# Altium PCB Fast_Servo.PCBDOC (part 7 of 7)
Units mm, origin at the board's own origin, x right, y up, seen from the top; angles counter-clockwise.
Board outline 162.48 x 100 mm, 4 copper layers (Top, GP1(GND), L3, Bot), stack 1.648 mm thick; 621 components, 389 nets, 1909 pads, 971 vias.
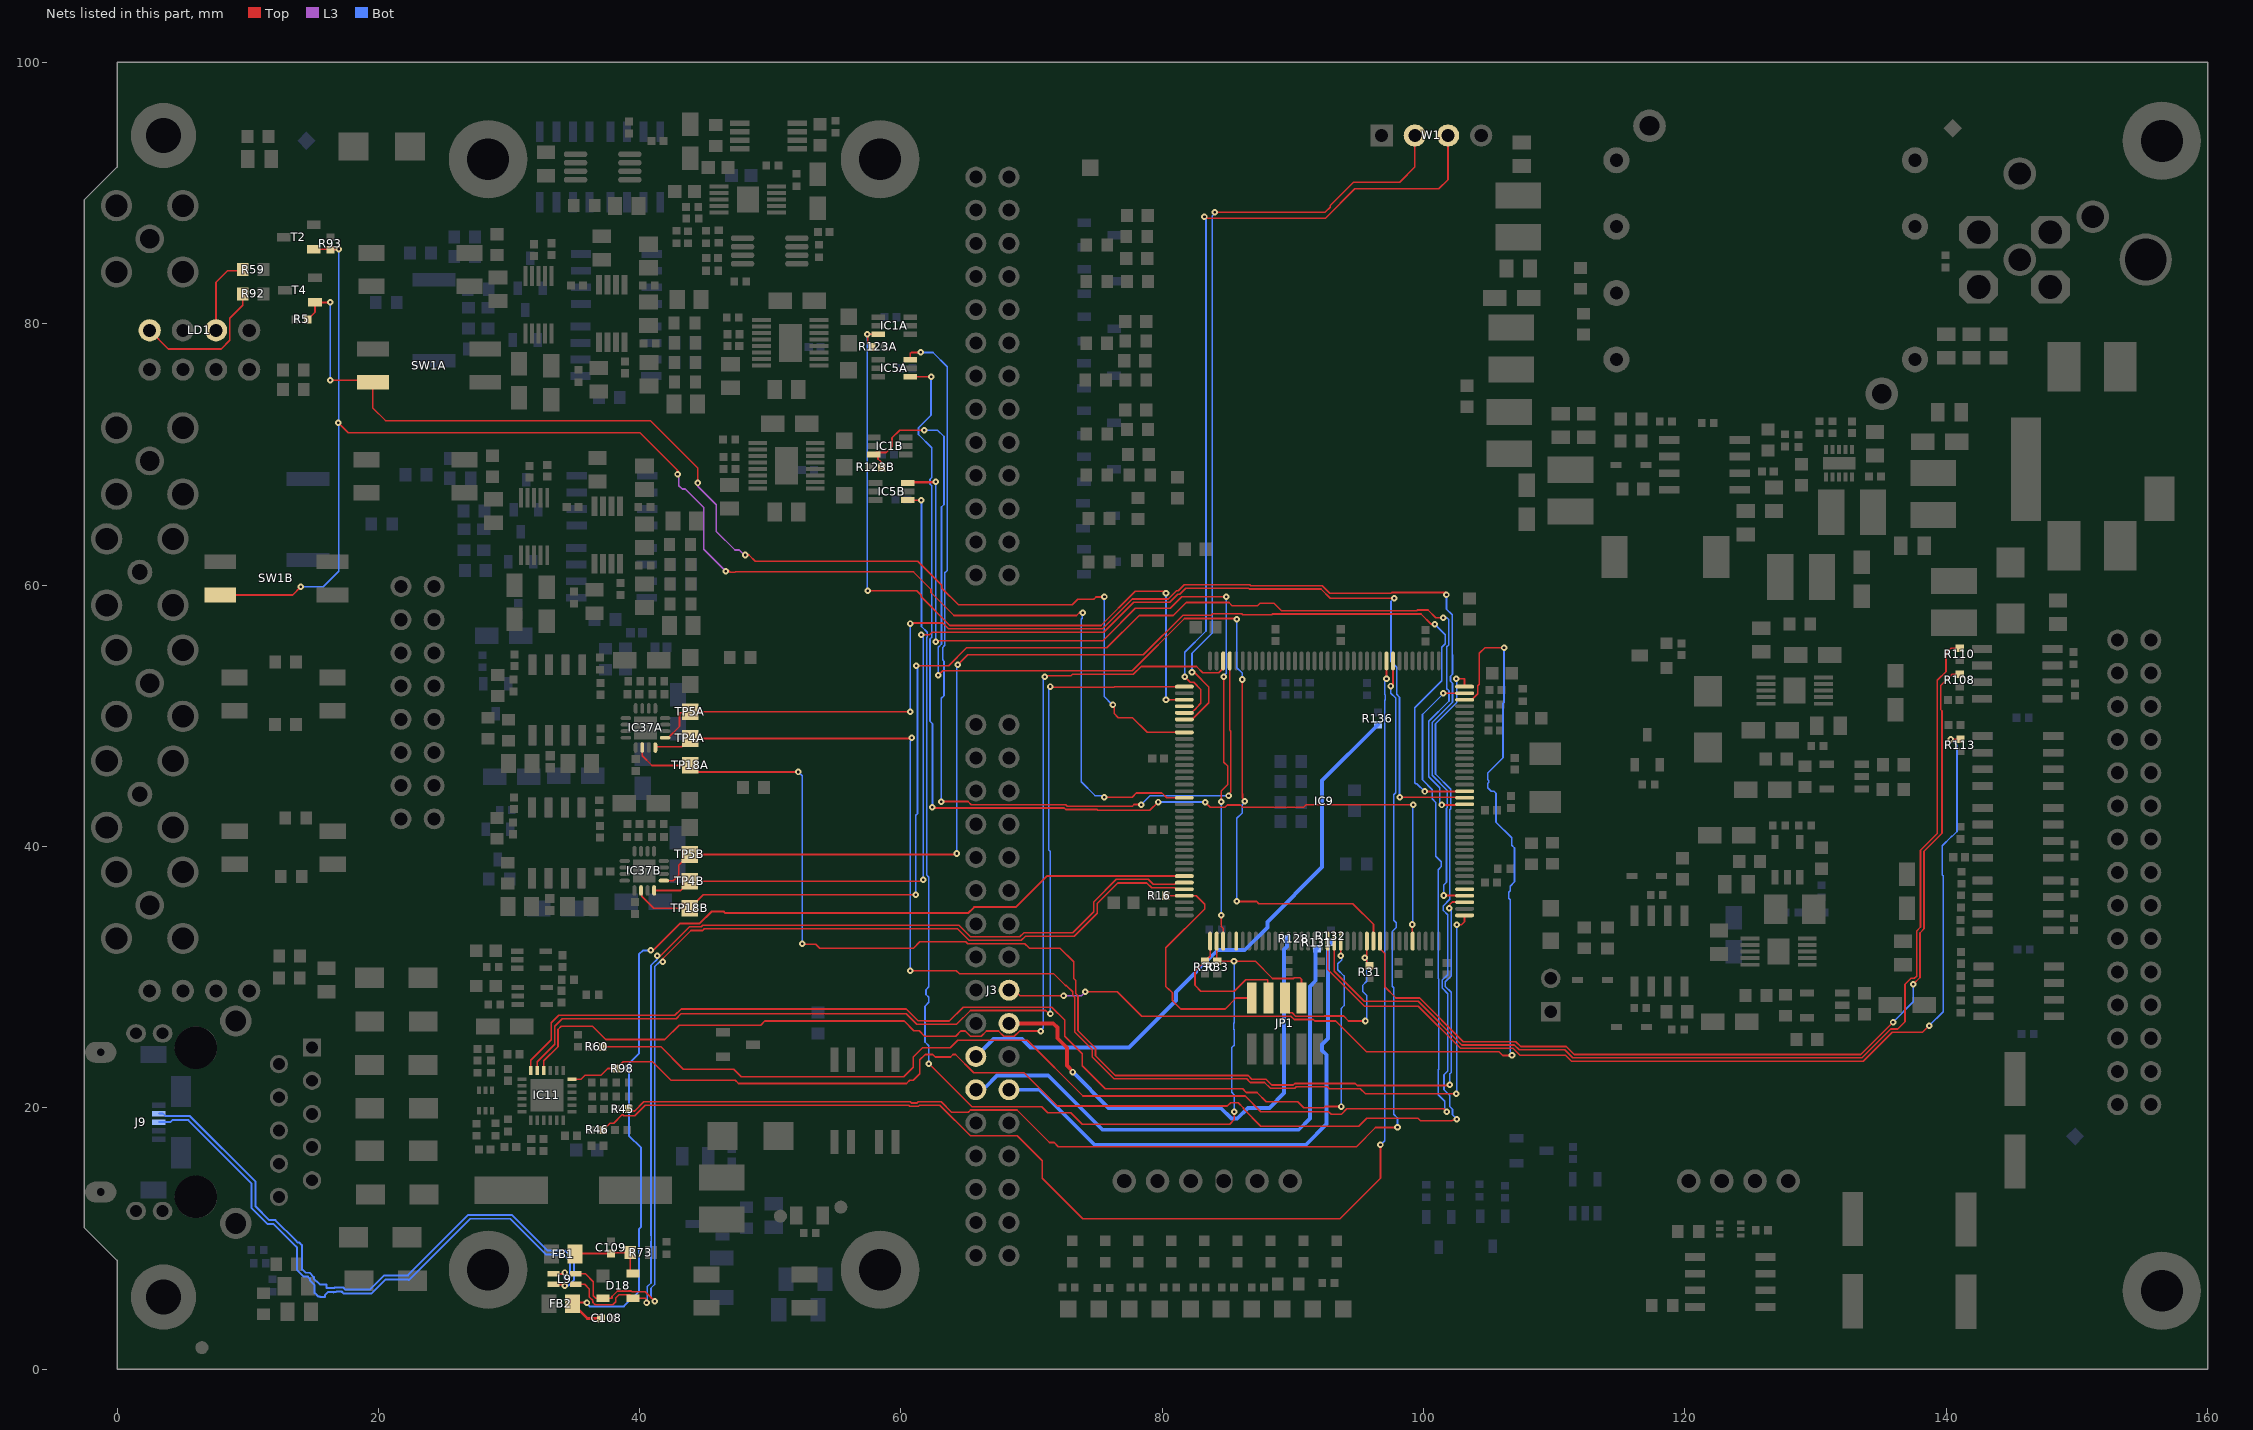
[diagram p9: the nets of this part, all layers, seen from the top]

## Via types
v1: diameter 0.5, hole 0.2, Top to Bot, tented both sides, 767 vias
v2: diameter 0.7, hole 0.5, Top to Bot, tented both sides, 74 vias
v3: diameter 0.6, hole 0.3, Top to Bot, tented both sides, 42 vias
v4: diameter 0.5, hole 0.2, Top to Bot, 40 vias
v5: diameter 1.27, hole 0.711, Top to Bot, tented both sides, 37 vias
v6: diameter 0.5, hole 0.2, Top to Bot, tented bottom, 5 vias
v7: diameter 0.66, hole 0.33, Top to Bot, tented both sides, 5 vias
v8: diameter 1, hole 0.6, Top to Bot, tented both sides, 1 vias

## Nets (pads, with @x,y where several pads share a name; then routed paths per layer and width w, separated by ;. In a path a pad name is that pad's centre, name@x,y a point inside that pad or via, vN(x,y) a via of type N, cw(c..) or ccw(c..) an arc to the next point about the centre after c; other vN are vias at no path point) (continued)
RMII_MDIO: IC9.36 IC11.12 R98.2 | length 111
  Top w0.127: IC11.12@34.805,22.195 35.524,22.195 35.822,22.494 37.045,22.494 37.553,23.001 R98.2@38.211,23.001 38.737,23.528 40.983,23.528 42.401,22.11 47.319,22.11 47.566,21.863 60.418,21.863 60.665,22.11 60.944,22.11 61.443,22.608 61.443,23.67 61.849,24.077 62.425,24.077 62.611,23.89 63.797,23.89 63.983,24.077 64.173,24.077 65.578,22.671 69.42,22.671 71.959,20.132 84.973,20.132 85.231,20.39 85.806,20.39 86.213,19.983 86.213,19.917 87.544,18.586 95.04,18.586 95.648,19.194 99.565,19.194 99.759,19.001 102.162,19.001 102.212,19.05 102.475,19.05 v1(102.547,19.122) ; v1(102.5,52.838) 103.125,52.838 103.134,52.828 IC9.36@103.134,52.227
  Bot w0.127: v1(102.5,52.838) 102.547,52.791 102.547,51.02 100.909,49.383 100.909,45.548 102.073,44.385 102.073,42.888 102,42.814 102,35.948 101.515,35.463 101.515,35.098 101.852,34.761 101.852,30.19 101.414,29.752 101.414,29.176 101.852,28.738 101.852,22.81 101.559,22.517 101.559,21.384 102,20.944 102,20.092 102.214,19.878 102.214,19.454 v1(102.547,19.122)
RMII_REF_CLK: IC9.35 R60.1 | length 105.1
  Top w0.127: R60.1@37.171,24.66 41.63,24.66 43.336,22.954 47.193,22.954 47.776,22.371 60.208,22.371 60.935,23.097 60.935,23.88 61.645,24.591 63.779,24.591 64.353,25.165 69.669,25.165 73.93,20.904 86.338,20.904 87.54,19.702 92.725,19.702 92.928,19.5 93.712,19.5 94.129,19.917 101.552,19.917 v1(101.774,19.695) ; v1(101.5,51.727) IC9.35@103.134,51.727
  Bot w0.127: v1(101.5,51.727) 101.52,51.707 99.91,50.098 99.91,45.095 100.655,44.35 100.655,43.641 100.938,43.358 100.938,39.24 101.35,38.828 101.35,38.463 101.113,38.227 101.113,29.903 101.16,29.857 101.16,22.96 101.113,22.913 101.113,21 101.621,20.492 101.621,19.848 v1(101.774,19.695)
RMII_RXD0: IC9.44 R45.1 | length 97.9
  Top w0.127: R45.1@39.161,19.965 39.371,19.755 39.62,19.755 40.315,20.449 60.701,20.449 60.787,20.364 61.235,20.364 61.32,20.449 63.079,20.449 63.87,19.659 65.148,19.659 65.32,19.831 68.886,19.831 71.372,17.344 71.724,17.344 72.041,17.028 94.856,17.028 96.316,18.487 97.987,18.487 v1(98,18.5) ; v1(97.493,52.276) 97.568,52.35 97.659,52.35 IC9.44@97.659,54.202
  Bot w0.127: v1(97.493,52.276) 97.493,51.73 97.865,51.358 97.865,44.101 97.719,43.954 97.719,34.343 97.905,34.157 97.905,33.792 97.604,33.49 97.604,29.297 97.719,29.182 97.719,19.5 98,19.219 v1(98,18.5)
RMII_RXD1: IC9.45 R46.1 | length 106
  Top w0.127: R46.1@37.224,18.313 37.724,18.814 38.015,18.814 38.694,19.493 38.792,19.394 39.619,19.394 40.42,20.195 60.596,20.195 60.682,20.11 61.34,20.11 61.426,20.195 62.974,20.195 65.32,17.85 68.901,17.85 70.804,15.947 70.804,14.607 73.904,11.506 93.595,11.506 96.698,14.609 v1(96.698,17.17) ; v1@96.638,17.23 v1@96.698,17.29 ; v1(97.159,52.828) IC9.45@97.159,54.202
  Bot w0.127: v1(96.698,17.17) 96.716,17.17 97.024,17.479 97.024,51.189 97.062,51.227 97.062,51.592 97.024,51.63 97.024,52.693 v1(97.159,52.828)
RMII_TX_EN: IC9.70 IC11.16 | length 85.1
  Top w0.127: IC11.16@32.655,22.845 32.655,23.589 33.746,24.68 33.746,25.991 34.002,26.247 36.386,26.247 37.407,25.226 41.926,25.226 43.019,26.32 49.266,26.32 49.584,26.637 60.239,26.637 60.988,25.888 61.4,25.888 61.803,25.485 64.181,25.485 64.566,25.87 64.92,25.87 65.32,25.47 66.14,25.47 66.54,25.87 67.46,25.87 67.86,25.47 68.68,25.47 69.08,25.87 v1(70.705,25.87) ; v1(71,53) 71.069,53.069 73.014,53.069 73.127,53.182 77.787,53.182 78.379,53.774 82.619,53.774 83.107,53.286 84.319,53.286 84.659,53.627 IC9.70@84.659,54.202
  Bot w0.127: v1(70.705,25.87) 70.705,25.942 70.893,26.131 70.893,52.893 v1(71,53)
RMII_TXD0: IC9.73 IC11.17 | length 78.6
  Top w0.127: IC11.17@32.155,22.845 32.155,23.531 33.492,24.868 33.492,26.233 34.081,26.822 42.803,26.822 43.168,27.186 60.409,27.186 61.199,26.396 61.743,26.396 61.757,26.382 64.251,26.382 65.32,27.451 71.082,27.451 71.346,27.186 v1(71.44,27.186) ; v1(71.419,52.24) 71.471,52.188 76.307,52.188 76.346,52.227 IC9.73@81.684,52.227
  Bot w0.127: v1(71.419,52.24) 71.419,52.139 71.315,52.035 71.315,39.724 71.416,39.622 71.416,27.211 v1(71.44,27.186)
RMII_TXD1: IC9.129 IC11.18 | length 83.6
  Top w0.127: IC11.18@31.655,22.845 31.655,23.634 33.238,25.217 33.238,26.499 33.815,27.076 42.698,27.076 43.18,27.558 60.396,27.558 61.304,26.65 61.848,26.65 61.863,26.636 63.692,26.636 64.76,27.705 71.545,27.705 72.536,26.714 72.536,25.477 73.869,24.144 73.869,23.207 75.623,21.453 86.149,21.453 86.428,21.174 87.25,21.174 87.96,20.464 90.37,20.464 90.833,20.001 92.367,20.001 92.462,20.096 v1(93.684,20.096) ; v1(93.659,31.625) IC9.129@93.659,32.752
  Bot w0.127: v1(93.659,31.625) 93.734,31.55 93.734,31.306 93.439,31.011 93.439,30.563 93.913,30.089 93.913,27.827 93.684,27.599 v1(93.684,20.096)
SCKI: IC9.128 R110.1 | length 80.8
  Top w0.127: IC9.128@93.159,32.752 93.159,30.441 95.458,28.142 99.589,28.142 102.927,24.804 106.948,24.804 107.32,24.432 110.804,24.432 111.418,23.817 133.55,23.817 135.759,26.026 136.288,26.026 136.842,26.58 136.842,29.45 137.296,29.904 137.56,29.904 137.733,30.077 137.733,33.528 138.034,33.829 138.034,39.719 139.311,40.997 139.311,52.711 139.976,53.376 139.976,54.788 140.365,55.176 R110.1@141.035,55.176
SDI: IC9.135 R108.1 | length 74.9
  Top w0.127: IC9.135@96.659,32.752 96.659,32.177 97.028,31.808 97.028,29.251 97.883,28.396 99.695,28.396 103.032,25.058 107.053,25.058 107.425,24.686 110.909,24.686 111.524,24.071 133.445,24.071 v1(135.927,26.553) ; v1(137.479,29.464) 137.99,29.975 137.99,33.381 138.3,33.692 138.3,39.626 139.676,41.002 139.676,50.371 139.565,50.481 139.565,52.294 140.448,53.176 R108.1@141.035,53.176
  Bot w0.127: v1(135.927,26.553) 137.479,28.105 v1(137.479,29.464)
SDO: IC9.127 R113.1 | length 76
  Top w0.127: IC9.127@92.659,32.752 92.66,30.581 95.47,27.771 99.601,27.771 102.822,24.55 106.843,24.55 107.38,24.013 110.863,24.013 111.313,23.563 133.655,23.563 135.864,25.772 138.186,25.772 v1(138.684,26.271) ; v1(140.354,48.211) R113.1@141.086,48.211
  Bot w0.127: v1(138.684,26.271) 139.759,27.346 139.759,37.75 139.688,37.821 139.688,40.047 140.4,40.759 140.432,40.759 140.818,41.144 140.818,47.747 v1(140.354,48.211)
SPI1_MISO: J3.21 R136.2 | length 46.4
  Bot w0.298: J3.21@65.73,23.92 67.085,25.275 69.26,25.275 69.925,24.61 77.459,24.61 81.054,28.206 81.054,28.873 84.242,32.061 86.311,32.061 88.042,33.792 88.042,34.228 92.235,38.421 92.235,45.054 96.334,49.153 96.334,49.173 96.475,49.314 R136.2@96.495,49.314
SPI1_MOSI: J3.20 R128.2 | length 38.1
  Top w0.298: J3.20@68.27,26.46 71.658,26.46 71.966,26.151 71.966,25.323 72.697,24.593 72.697,23.236 v1@73.175,22.758
  Bot w0.298: v1(73.152,22.734) 75.89,19.997 84.473,19.997 85.301,19.17 85.736,19.17 86.564,19.997 88.199,19.997 89.319,21.116 89.319,32.106 89.549,32.336 89.549,32.892 R128.2@89.576,32.918
SPI1_NSS: J3.23 R131.1 | length 41.3
  Bot w0.298: J3.23@65.73,21.38 65.959,21.609 66.511,21.609 67.358,22.456 71.274,22.456 75.411,18.319 90.443,18.319 91.304,19.179 91.304,29.29 91.734,29.72 91.734,32.061 R131.1@91.851,32.178
SPI1_SCK: J3.24 R132.1 | length 41
  Bot w0.298: J3.24@68.27,21.38 70.612,21.38 74.822,17.17 90.996,17.17 92.571,18.746 92.571,24.055 92.233,24.393 92.233,24.828 92.697,25.292 92.697,32.449 92.748,32.501 92.748,32.521 92.889,32.662 R132.1@92.909,32.662
SPI2_MISO: IC1A.6 IC9.75 R123A.2 | length 56.3
  Top w0.127: v1(57.455,59.563) 61.208,59.563 61.541,59.23 61.541,59.115 63.744,56.912 75.311,56.912 77.923,59.524 80.141,59.524 v1(80.283,59.382) ; R123A.2@57.772,78.236 57.772,78.256 57.546,78.483 57.529,78.483 57.455,78.557 57.455,79.17 v1(57.429,79.195) 58.242,79.195 IC1A.6@58.251,79.204 ; v1(80.283,51.239) 80.289,51.233 81.678,51.233 IC9.75@81.684,51.227
  Bot w0.127: v1(57.429,79.195) 57.429,59.588 v1(57.455,59.563) ; v1(80.283,51.239) v1(80.283,59.382)
SPI2_MOSI: IC9.76
SPI2_NSS: IC5A.1 IC9.140 | length 83.6
  Top w0.127: IC5A.1@60.701,75.95 v1(62.303,75.95) ; v1(62.408,43.002) 62.465,42.945 72.497,42.945 72.609,42.833 75.001,42.833 75.069,42.765 79.048,42.765 v1(79.683,43.4) ; v1(83.274,43.378) 83.659,42.994 84.804,42.994 84.978,43.167 85.978,43.167 86.133,43.012 90.824,43.012 91.01,43.199 99.194,43.199 v1(99.212,43.18) ; v1(99.135,34.027) 99.135,32.776 IC9.140@99.159,32.752
  Bot w0.127: v1(62.303,75.95) 62.303,73.001 61.342,72.041 61.342,71.533 62.357,70.518 62.357,68.241 62.221,68.105 62.221,67.74 62.357,67.604 62.357,56.019 62.221,55.883 62.221,49.586 62.408,49.4 v1(62.408,43.002) ; v1(79.683,43.4) 83.253,43.4 v1(83.274,43.378) ; v1(99.135,34.027) 99.174,34.066 99.174,43.141 v1(99.212,43.18)
SPI2_SCK: IC5A.3 IC9.69 | length 70.2
  Top w0.127: IC5A.3@60.701,77.25 60.701,77.735 60.776,77.809 v1(61.501,77.809) ; v1(63.094,43.434) 65.135,43.434 65.371,43.199 72.602,43.199 72.714,43.087 75.106,43.087 75.113,43.081 77.715,43.081 77.84,43.205 v1(78.384,43.205) ; v1(85.069,43.882) 85.069,43.983 85.251,44.166 85.251,48.827 85.159,48.919 IC9.69@85.159,54.202
  Bot w0.127: v1(61.501,77.809) 62.446,77.809 63.543,76.712 63.543,61.124 63.356,60.937 63.356,55.389 63.198,55.231 63.198,54.277 63.289,54.186 63.289,51.542 63.094,51.347 v1(63.094,43.434) ; v1(78.384,43.205) 79.072,43.893 85.058,43.893 v1(85.069,43.882)
SPI3_MISO: IC1B.6 IC9.134 R123B.2 | length 85.8
  Top w0.127: R123B.2@58.529,69.008 58.469,69.068 58.469,69.434 58.247,69.656 58.247,69.835 58.086,69.997 IC1B.6@57.906,69.997 58.066,70.156 58.871,70.156 59.311,70.597 59.311,71.272 59.899,71.859 v1(61.783,71.859) ; v1(62.849,53.108) 63.199,53.458 77.704,53.458 81.695,57.45 85.442,57.45 85.445,57.447 85.632,57.447 v1(85.703,57.375) ; v1(85.703,35.793) 87.219,35.793 87.389,35.623 94.57,35.623 96.159,34.033 IC9.134@96.159,32.752 ; v1(86.112,52.778) 86.112,44.053 86.142,44.023 86.142,43.714 86.306,43.549 86.306,43.462 v1(86.309,43.459)
  Bot w0.127: v1(61.783,71.859) 62.8,71.859 63.289,71.37 63.289,66.167 63.102,65.98 63.102,55.494 62.849,55.241 v1(62.849,53.108) ; v1(85.703,35.793) 85.703,42.148 86.112,42.557 86.112,43.192 86.309,43.389 v1(86.309,43.459) ; v1(85.703,57.375) 85.703,53.687 86.112,53.279 v1(86.112,52.778)
SPI3_MOSI: IC9.113
SPI3_SCK: IC5B.3 IC9.111 | length 64.8
  Top w0.127: v1(62.662,55.677) 62.725,55.74 75.466,55.74 76.825,57.1 76.825,57.122 77.923,58.22 80.61,58.22 81.496,59.106 v1(84.897,59.106) ; v1(84.5,43.434) 84.5,44.24 84.997,44.737 84.997,46.156 84.698,46.455 v1(84.698,53) ; v1(84.506,34.747) 84.506,33.883 84.5,33.877 84.659,33.718 IC9.111@84.659,32.752
  Top w0.203: IC5B.3@60.509,67.808 60.567,67.866 62.605,67.866 v1(62.662,67.922)
  Bot w0.127: v1(62.662,55.677) v1(62.662,67.922) ; v1@84.5,43.29 84.506,43.284 v1(84.506,34.747) ; v1(84.698,53) 84.698,53.062 84.897,53.261 v1(84.897,59.106)
SPI4_MISO: IC9.5
SPI4_MOSI: IC9.4 IC37A.9 TP5A.1 | length 96.2
  Top w0.127: IC37A.9@41.948,48.32 42.179,48.32 43.046,49.187 43.046,50.171 43.121,50.245 43.796,50.245 TP5A.1@43.873,50.322 v1(60.714,50.322) ; v1@60.701,57.1 63.197,57.1 63.638,56.658 75.417,56.658 77.7,58.941 80.466,58.941 81.088,59.564 81.228,59.564 81.691,60.026 86.693,60.026 86.758,59.961 92.247,59.961 92.826,59.382 97.509,59.382 97.567,59.44 101.73,59.44 101.75,59.421 v1(101.75,59.25) ; v1(101.554,36.246) 103.115,36.246 IC9.4@103.134,36.227
  Bot w0.127: v1(60.701,57.06) 60.714,57.047 v1(60.714,50.322) ; v1(101.554,36.246) 101.554,37.058 101.746,37.25 101.746,42.92 101.819,42.993 101.819,44.279 100.655,45.443 100.655,49.488 102.214,51.047 102.214,52.5 102.06,52.655 102.06,53.02 102.214,53.175 102.214,54.681 102.183,54.712 102.183,57.722 101.75,58.155 v1(101.75,59.25)
SPI4_NSS: IC9.3 IC37A.6 TP18A.1 | length 99.7
  Top w0.127: IC37A.6@40.198,47.57 40.198,46.941 40.939,46.2 TP18A.1@43.873,46.2 44.372,45.701 v1(52.15,45.701) ; v1@52.444,32.515 53.485,32.515 53.781,32.219 60.96,32.219 61.447,32.705 64.95,32.705 65.099,32.556 69.481,32.556 69.816,32.221 72.162,32.221 73.22,31.164 73.22,29.891 73.389,29.722 73.389,28.732 73.552,28.569 73.552,25.898 74.885,24.565 74.885,23.987 76.403,22.469 86.569,22.469 86.847,22.192 86.849,22.19 87.931,22.19 88.383,21.738 90.021,21.738 90.136,21.853 94.771,21.853 94.915,21.708 101.958,21.708 v1(102,21.75) ; v1(101.956,35.281) 102,35.325 102,35.561 102.184,35.746 103.115,35.746 IC9.3@103.134,35.727
  Bot w0.127: v1(52.15,45.701) 52.444,45.407 v1(52.444,32.543) ; v1(101.956,35.281) 102.001,35.281 102.106,35.176 102.106,30.085 101.668,29.646 101.668,29.282 102.106,28.843 102.106,22.705 102,22.599 v1(102,21.75)
SPI4_SCK: IC9.1 IC37A.8 TP4A.1 | length 99.8
  Top w0.127: IC37A.8@41.198,47.62 43.228,47.62 TP4A.1@43.873,48.265 60.764,48.265 v1(60.819,48.32) ; v1(60.714,30.499) 64.238,30.499 64.467,30.27 71.672,30.27 72.589,29.354 72.655,29.354 73.135,28.874 73.135,28.627 73.298,28.464 73.298,25.793 74.631,24.46 74.631,23.882 76.298,22.215 86.464,22.215 86.744,21.936 87.826,21.936 88.278,21.484 90.127,21.484 90.242,21.599 92.628,21.599 92.772,21.454 95.158,21.454 95.548,21.065 v1(102.5,21.065) ; v1(102.548,34) 102.901,34 103.134,34.233 IC9.1@103.134,34.727
  Bot w0.127: v1(60.714,30.499) 60.714,36.098 60.697,36.114 60.697,36.479 60.714,36.495 60.714,48.059 60.748,48.093 60.748,48.248 v1(60.819,48.32) ; v1(102.5,21.065) 102.548,21.113 v1(102.548,34)
SPI5_MOSI: IC9.20 IC37B.9 TP5B.1 | length 94.2
  Top w0.127: IC37B.9@41.853,37.382 42.583,37.382 43,37.799 43,38.556 TP5B.1@43.828,39.384 64.08,39.384 64.157,39.461 v1(64.258,39.461) ; v1(64.338,53.899) 65.1,54.661 78.547,54.661 81.59,57.704 83.758,57.704 83.87,57.816 86.09,57.816 86.167,57.739 88.387,57.739 88.439,57.791 99.804,57.791 100.595,57 v1(100.859,57) ; v1(100.076,44.209) 103.116,44.209 IC9.20@103.134,44.227
  Bot w0.127: v1(64.258,39.461) 64.258,53.718 64.338,53.798 v1(64.338,53.899) ; v1(100.076,44.209) 99.486,44.799 99.407,44.799 99.329,44.877 99.329,50.624 101.379,52.673 101.379,55.235 101.66,55.517 101.66,56.199 v1(100.859,57)
SPI5_NSS: IC9.18 IC37B.6 TP18B.1 | length 100.6
  Top w0.127: IC37B.6@40.153,36.682 40.153,36.189 41.08,35.262 TP18B.1@43.828,35.262 44.863,36.297 v1(61.138,36.297) ; v1(61.161,53.838) 63.654,53.838 65.018,55.202 75.756,55.202 78.226,57.671 80.839,57.671 81.833,58.665 85.105,58.665 85.337,58.433 87.29,58.433 87.477,58.62 88.548,58.62 89.123,58.045 99.48,58.045 99.534,58.098 100.335,58.098 100.933,57.5 v1(101.5,57.5) ; v1(101.379,43.175) 103.082,43.175 IC9.18@103.134,43.227
  Bot w0.127: v1(61.138,36.297) 61.138,42.389 61.259,42.511 61.259,53.639 61.161,53.737 v1(61.161,53.838) ; v1(101.379,43.175) 101.246,43.308 101.246,44.493 100.401,45.338 100.401,49.593 101.94,51.133 101.94,51.909 101.774,52.076 101.774,55.272 101.914,55.411 101.914,57.368 101.782,57.5 v1(101.5,57.5)
SPI5_SCK: IC9.19 IC37B.8 TP4B.1 | length 98.3
  Top w0.127: IC37B.8@41.103,36.632 43.133,36.632 TP4B.1@43.828,37.327 61.461,37.327 61.596,37.462 v1(61.697,37.462) ; v1(61.566,56.21) 62.182,56.21 62.375,56.404 75.522,56.404 77.805,58.687 80.571,58.687 81.193,59.31 81.334,59.31 81.796,59.772 86.588,59.772 86.653,59.707 92.142,59.707 92.849,59 v1(97.75,59) ; v1(98.159,43.772) 98.163,43.768 100.258,43.768 100.262,43.772 103.089,43.772 IC9.19@103.134,43.727
  Bot w0.127: v1(61.566,56.21) 61.566,56.109 61.697,55.979 v1(61.697,37.462) ; v1(97.75,59) 97.5,58.75 97.5,54.158 97.934,53.725 97.934,51.649 98.159,51.424 v1(98.159,43.772)
TCK: IC9.109 JP1.4 R30.2 | length 11.4
  Top w0.127: IC9.109@83.659,32.752 83.659,31.591 R30.2@83.274,31.206 82.5,30.432 82.5,29.377 82.953,28.923 85.518,28.923 86.385,29.79 88.079,29.79 88.079,28.436 JP1.4@88.114,28.4
TDI: IC5B.1 IC9.110 JP1.8 R33.2 | length 92.7
  Top w0.127: IC5B.1@60.509,66.508 61.547,66.508 v1(61.566,66.489) ; v1(62.137,23.382) 65.431,20.088 70.777,20.088 71.241,19.624 72.984,19.624 73.869,18.739 85.16,18.739 85.519,19.098 v1(85.519,19.695) ; IC9.110@84.159,32.752 84.159,31.25 R33.2@84.203,31.206 v1(85.489,31.206) ; v1(85.489,31.206) 86.76,31.206 ; 86.76,31.206 87.129,31.206 88.435,29.899 90.046,29.899 90.086,29.94 90.541,29.94 90.654,29.826 JP1.8@90.654,28.4
  Bot w0.127: v1(61.566,66.489) 61.566,56.833 62.006,56.393 62.006,56.028 61.967,55.989 61.967,37.814 62.137,37.644 62.137,29.257 61.917,29.037 61.917,28.672 62.137,28.451 62.137,28.064 61.84,27.767 61.84,25.04 62.137,24.743 v1(62.137,23.382) ; v1(85.489,31.206) 85.5,31.195 85.5,26.494 85.471,26.465 85.471,26.017 85.5,25.987 85.5,24.789 85.319,24.608 85.319,21.181 85.519,20.981 v1(85.519,19.695)
TDO: IC9.133 JP1.6 R31.2 | length 14.5
  Top w0.127: JP1.6@89.384,28.4 89.384,27.58 89.701,27.263 89.941,27.263 90.195,27.009 92.383,27.009 92.391,27.018 93.875,27.018 94.252,26.64 v1(95.549,26.64) ; IC9.133@95.659,32.752 95.659,31.07 R31.2@95.869,30.86
  Bot w0.127: v1(95.549,26.64) 95.659,26.751 95.659,28.586 95.329,28.916 95.329,29.364 95.659,29.694 v1@95.659,31.496
  other v1: 95.504,31.496
TERM0: LD1.1 R92.1 | length 11
  Top w0.127: LD1.1@2.5,79.5 3.931,78.069 7.97,78.069 8.64,78.739 8.64,80.435 9.62,81.416 R92.1@9.62,82.294
TERM1: LD1.3 R59.1 | length 6.1
  Top w0.127: LD1.3@7.58,79.5 7.58,83.19 8.45,84.06 9.535,84.06 R59.1@9.62,84.144
TERM_STAT0: IC9.80 R5.2 SW1A.2 T4.1 | length 93.8
  Top w0.127: R5.2@14.59,80.334 15.15,80.894 T4.1@15.15,81.634 16.292,81.634 v1(16.312,81.654) ; v1(16.332,75.692) SW1A.2@19.423,75.692 ; SW1A.2@19.581,75.534 19.581,73.56 20.548,72.593 40.818,72.593 44.45,68.961 v1(44.45,67.818) ; v1(48.082,62.306) 48.363,62.306 48.845,61.824 61.289,61.824 63.115,59.998 63.115,59.767 64.396,58.487 73.101,58.487 73.529,58.915 74.752,58.915 74.925,59.089 75.29,59.089 75.424,58.955 v1(75.575,59.106) ; v1(76.225,50.851) 76.297,50.779 76.297,50.628 76.314,50.61 76.314,50.179 76.633,49.86 77.726,49.86 78.851,48.735 81.676,48.735 IC9.80@81.684,48.727
  L3 w0.127: v1(44.45,67.818) 44.45,67.564 45.872,66.142 45.872,64.11 47.294,62.688 47.62,62.688 48.047,62.262 48.082,62.298 v1(48.082,62.306)
  Bot w0.127: v1(16.312,81.654) 16.312,75.712 v1(16.332,75.692) ; v1(75.575,59.106) 75.54,59.07 75.54,58.84 75.548,58.831 75.548,51.477 76.175,50.851 v1(76.225,50.851)
TERM_STAT1: IC9.90 R93.2 SW1B.2 T2.1 | length 124
  Top w0.127: SW1B.2@7.9,59.249 13.439,59.249 v1(14.057,59.868) ; T2.1@15.057,85.693 16.312,85.693 R93.2@16.332,85.673 16.95,85.673 v1(16.97,85.693) ; v1(16.942,72.415) 17.7,71.658 40.026,71.658 42.901,68.783 v1(42.901,68.478) ; v1(46.584,61.062) 46.702,61.18 46.731,61.18 46.935,60.977 47.299,60.977 47.334,61.011 60.953,61.011 62.303,59.661 62.303,59.431 64.059,57.674 73.438,57.674 73.663,57.899 v1(73.927,57.899) ; v1(75.565,43.775) 77.692,43.775 78.011,44.094 79.971,44.094 80.338,43.727 IC9.90@81.684,43.727
  L3 w0.127: v1(42.901,68.478) 42.994,68.385 42.994,67.61 43.252,67.352 43.497,67.352 44.907,65.942 44.907,62.738 v1(46.584,61.062)
  Bot w0.127: v1(14.057,59.868) 15.773,59.868 16.97,61.064 v1(16.97,85.693) ; v1(73.927,57.899) 73.876,57.849 73.876,57.459 73.8,57.382 73.8,44.94 74.847,43.893 75.346,43.893 75.464,43.775 v1(75.565,43.775)
TMS: IC9.105 JP1.2 R16.2 | length 18.8
  Top w0.127: R16.2@80.253,36.227 IC9.105@81.684,36.227 82.607,36.227 83.25,35.584 83.25,35.219 80.276,32.245 80.276,29.282 80.534,29.024 80.555,29.024 80.78,28.798 80.78,28.202 81.422,27.559 84.806,27.559 85.646,28.4 JP1.2@86.844,28.4
UART4_TX: IC9.34 J3.18 | length 80
  Top w0.127: J3.18@68.27,29 68.667,29 69.081,28.586 v1(72.441,28.586) ; J3.18@68.54,28.814 J3.18@68.593,28.867 ; v1(74.117,28.874) 76.556,28.874 78.42,27.009 89.836,27.009 90.09,26.755 91.544,26.755 91.659,26.64 93.281,26.64 95.626,24.296 105.773,24.296 106.063,24.006 v1(106.764,24.006) ; IC9.34@103.134,51.227 103.691,51.227 104.141,51.678 104.141,52.294 104.269,52.422 104.269,54.79 104.695,55.215 v1(106.156,55.215)
  L3 w0.127: v1(72.441,28.586) 73.83,28.586 v1(74.117,28.874)
  Bot w0.127: v1(106.156,55.215) 106.156,51.023 106.074,50.94 106.074,46.779 104.919,45.624 104.919,45.108 104.997,45.03 104.997,44.924 104.919,44.846 104.919,44.481 105.177,44.223 105.381,44.223 105.535,44.069 105.535,41.86 106.735,40.659 106.735,40.098 106.955,39.878 106.955,37.295 106.625,36.965 106.625,36.611 106.506,36.492 106.506,36.045 106.625,35.926 106.625,24.246
USART3_RX: IC9.78 W1.2 | length 60.5
  Top w0.127: IC9.78@81.684,49.727 82.3,49.727 83.563,50.99 83.563,52.205 82.481,53.286 82.321,53.286 v1(82.274,53.333) ; v1(84,88.526) 92.455,88.526 92.85,88.921 92.85,89.055 94.628,90.833 98.162,90.833 99.329,92 W1.2@99.329,94.412
  Bot w0.127: v1(82.274,53.333) 82.274,54.127 82.269,54.132 82.269,54.779 83.825,56.335 83.825,88.25 84,88.425 v1(84,88.526)
USART3_TX: IC9.77 W1.3 | length 63.5
  Top w0.127: IC9.77@81.684,50.227 82.241,50.227 82.6,50.586 82.6,50.598 82.953,50.951 82.953,52.014 82.4,52.567 82.129,52.567 v1(81.712,52.984) ; v1(83.228,88.2) 83.343,88.086 92.491,88.086 94.732,90.326 101.168,90.326 101.869,91.027 W1.3@101.869,94.412
  Bot w0.127: v1(81.712,52.984) 81.712,54.852 83.35,56.49 83.35,88.078 v1(83.228,88.2)
USB_ID: C108.2 FB2.1 IC9.102 | length 79.2
  Top w0.152: FB2.1@34.872,5 35.046,4.826 35.3,5.08 v1(35.966,5.08) ; v1(40.843,32.055) 40.883,32.055 40.965,31.973 43.104,34.112 44.595,34.112 45.502,35.02 46.439,35.02 46.562,34.897 65.128,34.897 65.594,35.363 68.791,35.363 71.178,37.75 81.661,37.75 IC9.102@81.684,37.727
  Top w0.203: FB2.1@35.046,4.826 35.997,3.875 C108.2@37.05,3.875
  Bot w0.152: v1(35.966,5.08) 35.966,5.004 36.166,4.805 38.796,4.805 39.954,5.963 39.954,10.74 40.107,10.892 40.107,16.942 39.181,17.867 39.181,23.382 39.948,24.149 39.948,31.744 40.259,32.055 v1(40.843,32.055)
USB_N: D18.3 IC9.103 L9.2 | length 79.2
  Top w0.127: L9.2@35.114,6.491 35.791,6.491 36.13,6.152 36.13,5.52 36.149,5.52 36.407,5.262 36.407,5.186 36.432,5.161 36.432,5.094 36.606,4.92 37.931,4.92 38.168,5.156 38.168,5.44 38.426,5.698 39.23,5.698 D18.3@39.507,5.421 40.423,5.421 40.71,5.134 40.55,4.974 40.526,4.999 v1(40.526,5.076) ; v1(41.338,31.621) 41.583,31.621 43.808,33.846 44.705,33.846 44.834,33.974 64.435,33.974 65.32,33.09 69.098,33.09 69.412,33.403 73.142,33.403 74.748,35.009 74.748,35.748 76.484,37.484 78.934,37.484 79.301,37.117 80.952,37.117 81.062,37.227 IC9.103@81.684,37.227
  Bot w0.127: v1(40.526,5.076) 40.526,4.937 40.59,4.873 40.59,6.316 40.863,6.589 40.863,9.792 40.888,9.818 40.888,10.182 40.863,10.208 40.863,30.9 40.945,30.982 41.338,31.375 v1(41.338,31.621)
USB_P: D18.2 IC9.104 L9.3 | length 78.6
  Top w0.127: L9.3@35.114,7.291 35.853,7.291 36.457,6.686 36.457,5.607 36.644,5.421 D18.2@37.207,5.421 37.888,5.421 37.888,5.556 38.31,5.978 39.346,5.978 39.412,5.911 40.439,5.911 v1(41.153,5.197) ; v1(41.781,31.177) 41.781,31.423 43.924,33.566 44.821,33.566 44.95,33.695 64.319,33.695 65.204,32.81 69.214,32.81 69.528,33.124 73.258,33.124 75.027,34.893 75.027,35.632 76.599,37.204 78.819,37.204 79.185,36.837 80.952,36.837 81.062,36.727 IC9.104@81.684,36.727
  Bot w0.127: v1(41.153,5.197) 40.87,5.48 40.87,6.2 41.143,6.473 41.143,9.677 41.168,9.702 41.168,10.298 41.143,10.323 41.143,30.785 41.535,31.177 v1(41.781,31.177)
USB_VBUS: IC9.101 R73.1 R75.1 | length 68.9
  Top w0.127: v1(40.448,10) 40.656,10 40.872,9.784 R73.1@40.872,8.914 41.939,8.914 R75.1@42.051,8.802 ; v1(40.538,31.315) 40.403,31.45 40.403,32.237 42.544,34.379 44.484,34.379 45.392,35.286 46.549,35.286 46.672,35.164 65.018,35.164 65.484,35.63 68.68,35.63 71.257,38.206 81.664,38.206 IC9.101@81.684,38.227
  Bot w0.127: v1(40.448,10) 40.52,10.072 40.52,21.103 40.458,21.165 40.458,31.235 v1(40.538,31.315)
USB_VBUS: C109.2 D18.4 FB1.1 R73.2 | length 6
  Top w0.127: FB1.1@35.05,8.799 35.103,8.852 C109.2@37.807,8.852 37.87,8.914 R73.2@39.272,8.914 39.272,7.556 D18.4@39.507,7.321
USBJ_N: J9.2 L9.1 | length 47
  Top w0.152: L9.1@33.414,6.491 34.164,6.491 v1(34.264,6.391)
  Bot w0.152: J9.2@3.2,19.545 3.525,19.545 3.716,19.355 5.587,19.355 10.614,14.327 10.614,12.445 11.654,11.404 12.116,11.404 13.669,9.851 13.847,9.673 13.968,9.673 14.147,9.495 14.147,8.031 14.163,8.014 14.163,7.639 14.428,7.373 14.738,7.373 15.066,7.045 15.066,6.915 15.28,6.701 15.293,6.713 15.525,6.481 16.023,6.481 16.023,6.199 16.044,6.219 16.653,6.219 16.679,6.244 17.307,6.244 17.472,6.079 19.347,6.079 20.44,7.172 22.26,7.172 26.899,11.811 30.225,11.811 32.968,9.068 34.315,9.068 34.969,8.414 34.969,6.807 34.552,6.391 v1(34.264,6.391)
USBJ_P: J9.3 L9.4 | length 47
  Top w0.152: L9.4@33.414,7.291 34.164,7.291 v1(34.264,7.391)
  Bot w0.152: J9.3@3.2,18.895 4.075,18.895 4.229,19.05 5.46,19.05 10.309,14.201 10.309,12.318 11.528,11.099 11.99,11.099 13.543,9.547 13.721,9.368 13.789,9.3 13.789,7.581 14.302,7.069 14.612,7.069 14.761,6.919 14.761,6.788 15.117,6.433 15.117,5.832 15.382,5.567 15.51,5.567 15.561,5.516 15.904,5.516 15.904,5.649 16.17,5.914 16.545,5.914 16.586,5.873 16.602,5.889 16.754,5.889 16.805,5.94 17.18,5.94 17.346,5.774 19.473,5.774 20.567,6.867 22.258,6.867 22.322,6.803 27.025,11.506 30.099,11.506 32.842,8.763 34.188,8.763 34.664,8.288 34.664,6.997 34.511,6.844 34.311,6.844 34.264,6.891 v1(34.264,7.391)
pads on no net: CON1.9 D1.2 D22.2 FTG1.FTG2 FTG2.1 FTG3.1 FTG4.1 IC1A.4 IC1B.4 IC3.8 IC3.9 IC6.5 IC9.7 IC9.26 IC9.55 IC9.66 IC9.67 IC9.79 IC9.82 IC9.98 IC9.114 IC9.132 IC9.136 IC9.141 IC9.142 IC13.4 IC16.4 IC17.4 IC17.5 IC17.6 IC17.9 IC19.4 IC29.3 IC29.4 IC29.6 IC30.5 IC30.6 IC36.3 IC36.5 IC36.6 IC37A.7 IC37B.7 IC38A.13 IC38A.15 IC38B.13 IC38B.15 IC39.3 IC39.4 IC39.6 J4.14 J7.MH1 J7.MH2 J14.2 JP1.7 RN5A.2 RN5A.7 RN5B.2 RN5B.7
copper on no net: | length 0
  Top w0.127: 81.651,49.26 81.684,49.227

## Polygon pours and split planes (outlines as drawn)
no net on Top "balancing_top" (solid, pour order 54): 0.59,97.765 159.978,97.765 159.978,1.234 0.61,1.311 0.453,8.671 -2.159,11.113 -2.159,89.268 0.453,91.88
P12V0FIL on Top "Top Overlay-No Net" (solid, remove dead copper, pour order 2): 144.763,78.432 144.763,67.276 134.01,67.276 134.01,78.432
P12V0A on Top "ML1_BAL" (solid, remove dead copper, pour order 20): 126.992,55.048 126.992,57.596 122.042,57.596 119.464,55.018 119.464,50.691 122.335,47.821 126.392,47.821 126.567,47.821 126.967,48.221 126.992,48.246 126.992,49.696
P5V0A on Top "NONET_L-01_P-001" (solid, remove dead copper, pour order 72): 123.321,33.396 124.769,31.948 125.654,31.948 126.041,31.561 126.041,30.258 125.967,30.184 121.031,30.184 119.643,31.572 119.643,32.477 120.562,33.396
N12V0A on Top "ML1_BAL" (solid, remove dead copper, pour order 18): 130.278,27.721 130.278,25.532 129.467,24.721 129.392,24.646 121.082,24.646 121.082,29.92 128.199,29.92
P2V5A on Top "Top-P2V5A" (solid, remove dead copper, pour order 42): 112.852,44.272 115.343,44.272 116.003,43.612 126.467,43.612 127.813,42.266 127.813,39.477 126.791,38.456 121.361,38.456 121.361,39.256 120.13,40.488 113.97,40.488 112.319,42.139 112.319,43.857 112.725,44.264
P12V0 on Top "ML1_BAL" (solid, remove dead copper, pour order 16): 159.398,5.052 159.398,70.08 147.676,70.159 147.676,67.082 136.44,67.057 136.44,56.007 154.398,56.007 154.398,48.052 155.398,47.052 156.398,46.052 156.398,41.052 156.398,25.493 152.067,21.163 152.067,5.052
P12V0 on Top "Top-P12V0" (solid, remove dead copper, pour order 28): 120.421,5.197 122.291,5.197 123.768,6.674 123.768,11.026 123.237,11.557 122.301,11.557 121.031,12.827 121.031,16.51 121.361,16.84 130.124,16.84 132.554,14.41 135.407,14.41 135.84,14.843 144,14.843 144,9.253 151,9.253 151,19.858 136.981,19.858 119.731,19.858 116.942,17.069 116.942,6.472 118.262,5.151 118.618,5.156
P12V0POE on Top "Top-NetC90_1" (solid, remove dead copper, pour order 26): 127.838,4.242 132.654,9.058 143.358,9.058 143.358,14.545 136.212,14.552 135.834,14.173 132.289,14.173 129.673,16.789 121.769,16.789 121.234,16.254 121.234,13.123 123.368,10.989 123.368,5.207 124.333,4.242
GND on Top "Top-GND" (solid, remove dead copper, pour order 46): 133.252,7.801 145.971,7.801 147.422,6.35 147.422,3.607 146.863,3.048 129.718,3.048 129.108,3.658
P3V3 on Top "Top-P3V3" (solid, remove dead copper, pour order 44): 128.082,64.821 129.083,63.82 129.083,59.08 128.323,58.321 120.622,58.321 119.329,59.614 119.329,64.414 119.736,64.821
P12V0F on Top "Top-P12V0F" (solid, pour order 24): 151.391,74.143 151.391,85.452 153.176,87.237 153.176,89.078 151.536,90.424 145.466,90.424 145.466,80.823 139.852,80.823 139.852,95.402 159.664,95.402 159.664,78.435 155.372,74.143
GNDF on Top "Top-GNDF" (solid, pour order 22): 145.872,74.742 146.548,74.066 151.161,74.066 151.161,85.349 152.959,87.147 152.959,88.9 151.613,90.094 145.872,90.094
GND on L3 "GND_L03_P052" (solid, remove dead copper, pour order 52): 0.5,0.5 159.5,0.5 159.5,99.25 0.5,99.25 0.5,91.9 -2,89.4 -2,10.918 0.5,8.418 0.5,7.264 17.723,7.264 22.209,11.75 22.209,12.151 16.129,18.231 16.129,31.744 16.129,86.753 16.671,87.294 69.248,87.294 69.886,86.656 97.727,86.656 117.133,67.25 122,67.25 123.817,65.433 123.817,64.83 128.137,60.509 128.137,58.506 128.323,58.321 144.546,58.321 151.75,51.117 151.75,18.623 151.127,18 131.25,18 126.392,22.858 126.392,24.976 122.995,24.976 111.199,13.18 92.224,13.18 84.656,13.18 72.726,1.25 42.144,1.25 42.144,10.344 24.322,10.344 22.956,11.71 22.5,11.71 22.5,11.643 17.783,6.926 0.61,6.926 0.5,7.036
P3V3 on L3 "L3-P3V3" (solid, remove dead copper, pour order 32): 31.953,16.84 31.953,31.852 33.102,33 42.501,33 45.822,36.321 45.822,55.042 50.825,60.046 62.103,60.046 64.491,62.433 64.491,86.335 97.561,86.335 117.043,66.853 121.869,66.853 123.19,65.532 123.19,64.567 123.321,64.567 129.772,58.115 144.475,58.115 151.486,51.105 151.486,18.796 150.724,18.034 150.546,18.212 131.293,18.212 127.305,22.2 127.305,53.315 121.641,53.315 121.028,52.702 121.028,37.243 109.481,25.695 66.557,25.695 57.702,16.84
P12V0A on L3 "P12V0A_L03_P060" (solid, remove dead copper, pour order 60): 31.901,86.433 31.901,61.061 27.531,56.691 27.531,50.614 27.727,50.614 29.38,48.961 29.38,39.3 21.73,31.65 21.73,18.406 27.436,12.7 68.383,12.7 73.683,18 109.653,18 118.885,27.232 123.536,27.232 124.446,28.142 124.333,28.255 124.333,30.354 122.809,31.878 122.809,38.233 121.196,39.846 121.361,40.011 121.361,51.37 122.561,52.57 125.865,52.57 127.102,51.333 127.102,27.323 125.116,25.337 122.441,25.337 111.104,14 94.464,14 92.164,16.3 76.7,16.3 74.684,14.284 74.684,10.197 69.256,4.768 63.16,4.768 57.183,10.746 24.488,10.746 16.67,18.564 16.67,32.597 16.67,86.378 17.129,86.837 31.497,86.837
P6V0A on L3 "NONET_L-01_P-001" (solid, remove dead copper, pour order 70): 130.024,32.407 133.682,32.407 133.682,30.25 130.024,30.25
N12V0A on L3 "N12V0A_L03_P062" (solid, remove dead copper, pour order 62): 32.305,86.868 32.156,86.72 32.156,60.785 27.727,56.356 27.727,51.075 29.656,49.145 29.656,39.143 22.209,31.696 22.209,18.323 27.672,12.86 68.259,12.86 73.899,18.5 101.187,18.5 109.913,18.5 118.913,27.5 123.4,27.5 124.165,28.265 124.165,30.293 123.185,31.273 119.84,31.273 110.317,21.75 102.165,21.75 72.597,21.75 70.347,19.5 62.914,19.5 58.015,14.601 27.78,14.601 24.384,17.997 24.384,29.928 30.956,36.5 36.826,36.5 36.826,54.456 38.406,56.036 38.406,86.868
P5V0A on L3 "P5V0A_L03_P064" (solid, remove dead copper, pour order 64): 122.492,35.216 122.492,31.934 122.109,31.551 120.06,31.551 110.607,22.098 72.504,22.098 70.047,19.641 62.895,19.641 57.92,14.666 27.715,14.666 24.796,17.585 24.796,29.869 31.109,36.182 36.605,36.182 37.303,36.88 37.303,54.551 38.942,56.19 38.942,85.565 40.316,86.939 51.113,86.939 52.396,85.656 52.396,82.97 50.246,80.821 50.246,60.004 45.5,55.258 45.5,36.9 42.112,33.513 33.119,33.513 31.688,32.081 31.688,26.182 31.007,25.5 27.257,25.5 26.543,24.786 26.543,17.943 27.822,16.664 57.749,16.664 66.585,25.5 109.648,25.5 119.398,35.25 122.453,35.25
GND on L3 "NONET_L-01_P-001" (solid, remove dead copper, pour order 68): 74.117,43.432 74.117,50.017 75.327,51.227 84.249,51.227 85.026,52.004 96.375,52.004 96.375,50.947 94.157,48.729 90.083,48.835 88.362,47.114 80.906,47.114 76.424,42.631 76.424,41.272 75.599,40.448 73.809,40.448 73.639,40.618 73.639,42.954
P2V5A on L3 "L3-P2V5A" (solid, remove dead copper, pour order 34): 61.69,60.376 64.033,62.719 64.033,86.995 57.023,86.995 50.444,80.416 50.444,60.528 50.597,60.376
AVDDT_PHY on L3 "L3-AVDDT_PHY" (solid, remove dead copper, pour order 30): 26.704,24.333 27.542,25.171 31.395,25.171 31.699,24.867 31.699,18.415 30.582,17.297 30.531,17.348 27.497,17.348 26.704,18.141 26.704,24.177
P12V0 on L3 "ML1_BAL" (solid, remove dead copper, pour order 14): 146.787,17.628 156,17.628 156,18 156,58.55 154.55,60 151.003,60 151.003,64 154.3,64 159.5,64 159.5,3 146.787,3
no net on Bot "balancing" (solid, pour order 56): 0.356,97.815 159.222,97.815 159.222,1.639 0.356,1.639 0.356,8.689 -2.222,11.266 -2.222,89.572 0.356,92.149
P12V0 on Bot "Bot-P12V0" (solid, remove dead copper, pour order 48): 64.262,12.26 64.262,4.267 65.938,2.591 155.55,2.591 158.598,5.639 158.598,15.294 158.41,15.481 135.096,15.481 127.235,7.62 78.765,7.62 76.378,10.008 70.739,10.008 68.224,12.522 64.491,12.522 64.313,12.344
GND on GP1(GND) (split plane): 159.484,0.51 0.51,0.51 0.51,8.32 0.501,8.419 0.472,8.515 0.424,8.603 0.361,8.681 -1.979,11.02 -1.979,14.45 1.689,14.45 1.789,14.46 1.885,14.489 1.973,14.536 2.05,14.6 2.114,14.677 2.161,14.765 2.19,14.861 2.2,14.961 2.2,22.784 2.19,22.883 2.161,22.979 2.114,23.067 2.05,23.145 1.973,23.208 1.885,23.255 1.789,23.284 1.689,23.294 -1.979,23.294 -1.979,89.299 -0.639,90.639 0.361,91.639 0.424,91.716 0.472,91.805 0.501,91.9 0.51,92 0.51,99.489 159.484,99.489

## Keep-outs
Top:
  lines w0.1: 6.075,3.05 6.075,4.5 6.275,4.7 6.275,5.025 ; 6.075,8.125 6.075,6.825 6.275,6.625 6.275,6.1
  lines w0.254: -2.438,12.344 -2.438,10.82 -0.307,8.689 4.9,8.689 6.35,7.239 6.35,6.475 ; -2.413,25.349 -2.413,89.245 -0.269,91.389 5.639,91.389 6.325,92.075 6.325,93.523 ; 6.325,95.174 6.325,96.597 6.782,97.053 139.743,97.053 141.089,98.4 158.877,98.4 159.817,97.46 159.817,3.073 159.743,3 158.944,2.721 56.137,2.721 55.677,2.261 24.689,2.261 ; 6.35,4.7 6.35,3.251 6.601,3 19.888,3 ; 45.411,55.5 45.917,56.006 45.917,61.22 47.121,62.424 47.25,62.424 ; 49.25,62.382 62.304,62.382 63.85,60.836 63.85,60.045 64.92,58.975 72.97,58.975 73.701,59.707 76.314,59.707 77.05,60.442 80.764,60.442 81.432,61.109 82.75,61.109 ; 69.296,61.417 70.213,61.417 70.941,62.145 73.263,62.145 73.868,62.75 79.293,62.75 80.779,64.236 105.102,64.236 105.494,63.844 106.35,63.844 106.35,65.578 105.927,66 105.088,66 104.464,65.376 79.92,65.376 78.399,63.856 74.25,63.856 73.615,64.491 71.076,64.491 69.864,63.278 69.5,63.278
L3:
  lines w0.508: 84.737,12.609 90.303,12.609 91.454,13.76 91.454,14.932 90.481,15.906 84.845,15.906
Bot:
  lines w0.1: 6.075,3.05 6.075,4.425 6.35,4.7 6.35,6.475 6.075,6.75 6.075,8.1
  lines w0.254: -2.464,12.344 -2.464,10.846 -0.33,8.712 4.801,8.712 6.35,7.163 6.35,6.475 ; -2.413,25.349 -2.413,89.245 -0.269,91.389 5.639,91.389 6.325,92.075 6.325,96.597 7.036,97.307 159.156,97.307 159.791,96.672 159.791,2.713 148.865,2.713 68.788,2.713 68.504,2.997 57.658,2.997 57.048,2.388 36.576,2.388 35.966,2.997 25.121,2.997 23.763,1.639 22.506,1.639 21.097,3.048 6.553,3.048 6.35,3.251 6.35,4.7 6.35,4.775 6.629,5.055 6.629,6.196 6.35,6.475 ; 6.35,7.214 6.35,6.475 ; 94.728,67.488 95.834,66.382 95.834,63.348 95.834,61.493 95.133,60.792 95.133,60.659 95.133,57.048 ; 95.869,56.921 95.869,60.532 96.52,61.183 96.52,72.706 95.93,73.296 95.93,74.423 96.257,74.75 97.646,74.75 97.865,74.531 97.865,73.871 97.629,73.635 97.629,60.355 97,59.726 97,57.059 97.159,56.899 ; 102.25,49.96 101.379,49.088 101.379,45.728 102.106,45 102.489,44.617 102.489,37.495 103.2,36.784 103.2,34.55 103.2,22.074 ; 103.134,48.496 103.134,53.148 102.945,53.337 102.945,54.399 102.5,54.844 102.5,60.34 102.25,60.59 102.25,70.913 102.657,71.32 103.68,71.32 ; 103.2,22.25 103.2,16.987 102.75,16.537 102.75,16.023 103.273,15.5 104.047,15.5 104.659,16.112 104.659,16.932 104.109,17.482 104.109,21.033 104.109,38.772 104.318,38.981 104.318,40.25 ; 103.25,71.32 103.68,71.32 ; 104.25,44.08 104.25,49.217 ; 104.25,50.313 104.25,53.259 104.25,54.641 104.5,54.891 104.5,56.125 104,56.625 103.919,56.707 103.919,59.298 104.109,59.488 104.109,59.541 104.187,59.619 104.187,64.121 104.187,68.983 104.728,69.523 104.728,70.272 103.68,71.32 ; 91.5,77.5 91.5,77.823 92.11,78.433 92.778,78.433 93.25,77.961 93.25,76.951 93.104,76.804 93.104,60.646 94.031,59.719 94.031,56.474 93.779,56.223 93.779,53.871 94.676,52.974 94.676,52.778 94.676,52.03 94.056,51.41 93.35,51.41 92.5,52.259 92.5,52.628 92.5,52.969 92.227,53.242 92.227,54.641 91.851,55.017 91.851,56.018 92.5,56.666 92.5,59.266 91.851,59.915 91.851,75.391 91.659,75.583 91.659,77.341 91.5,77.5 ; 98.339,55.348 98.339,57.171 98.339,57.632 98.75,58.043 98.75,85.085 99,85.335 99.951,85.335 100.75,84.537 100.75,83.62 100.75,62.517 100.75,58.317 100.433,58 100.25,57.817 100.25,56.784 100.401,56.633 100.401,52.612 99.91,52.121 99.521,52.121 99.135,52.507 99.135,54.552 98.339,55.348
  lines w0.508: 83.85,12.141 90.244,12.141 91.443,13.34 91.443,14.918 90.52,15.84 85.319,15.84
KeepOutLayer:
  drawing of 3462 lines, arcs and shapes, not listed

## Other copper
Top:
  rectangle net P6V0: 132.8,67.678 133.269,68.278
  rectangle net GND: 60.847,66.96 61.289,67.383
  rectangle net PHY_RD_N: 27.305,19.304 27.681,19.695
  rectangle net GND: 143.341,55.996 146.559,58.917
  rectangle net P12V0: 143.54,60.112 146.371,63.192
  rectangle net LVDS5_P: 149.233,34.214 149.732,34.72
  rectangle net LVDS0_P: 148.692,53.63 149.123,54.158
  rectangle net LVDS0_P: 149.123,53.785 149.657,54.158
  rectangle net LVDS0_N: 148.768,54.683 149.606,55.123
  rectangle net LVDS4_P: 148.658,36.12 149.631,36.576
  rectangle net LVDS4_N: 148.717,37.16 149.708,37.561
  rectangle net GND: 41.91,75.236 42.668,75.534
  rectangle net P3V3A: 128.245,38.532 129.642,39.294
  rectangle net GND: 131.8,69.128 135.255,69.621
  region net NetC10_1: 10.156,92.009 10.156,94.412 9.652,94.412 9.652,92.009
  rectangle net NetC10_1: 5.496,94.121 9.995,94.625
  rectangle net NetC11_1: 4.35,5.259 8.525,5.9
  rectangle net GND: 123.992,38.646 124.542,39.071
  region net P6V0: 132.95,67.828 132.95,67.964 132.657,67.964 132.657,67.828
  region net P6V0: 131.95,67.853 131.95,68.003 131.65,68.003 131.65,67.853
L3:
  rectangle net P3V3A: 128.286,38.583 129.592,39.319
  region net UART4_TX: 74.117,28.874
  pour cut-out: -2.21,22.987 1.514,22.987 1.753,22.748 1.753,14.834 1.491,14.572 -2.128,14.572 -2.211,14.655
Bot:
  rectangle net NetIC9_59: 90.202,52.489 90.516,53.086
GP1(GND) (plane layer: these items are gaps in the copper):
  rectangle: 82.174,12.776 91.389,16.114

## Silkscreen, mask and mechanical layers (free items; w line width, h text height)
TopOverlay:
  drawing of 1565 lines, arcs and shapes, not listed
  text "Layer" at 8.894,137.706 h1.52
  text "Name" at 19.305,137.706 h1.52
  text "Material" at 41.397,137.706 h1.52
  text "Thickness" at 63.235,137.706 h1.52
  text "Constant" at 79.741,137.706 h1.52
  text "Board Layer Stack" at 94.216,137.706 h1.52
  text "TopOverlay" at 19.305,134.658 h1.52
  text "TopSolder" at 19.305,131.61 h1.52
  text "Solder Resist" at 41.397,131.61 h1.52
  text "0.010mm" at 63.235,131.61 h1.52
  text "3.5" at 79.741,131.61 h1.52
  text "1" at 8.894,128.562 h1.52
  text "Top" at 19.305,128.562 h1.52
  text "Copper" at 41.397,128.562 h1.52
  text "0.058mm" at 63.235,128.562 h1.52
  text "Dielectric1" at 19.305,125.514 h1.52
  text "FR-4" at 41.397,125.514 h1.52
  text "0.180mm" at 63.235,125.514 h1.52
  text "4.2" at 79.741,125.514 h1.52
  text "2" at 8.894,122.466 h1.52
  text "GP1(GND)" at 19.305,122.466 h1.52
  text "Copper" at 41.397,122.466 h1.52
  text "0.036mm" at 63.235,122.466 h1.52
  text "Dielectric 3" at 19.305,119.418 h1.52
  text "FR-4" at 41.397,119.418 h1.52
  text "1.100mm" at 63.235,119.418 h1.52
  text "4.2" at 79.741,119.418 h1.52
  text "3" at 8.894,116.37 h1.52
  text "L3" at 19.305,116.37 h1.52
  text "Copper" at 41.397,116.37 h1.52
  text "0.036mm" at 63.235,116.37 h1.52
  text "Dielectric2" at 19.305,113.322 h1.52
  text "FR-4" at 41.397,113.322 h1.52
  text "0.180mm" at 63.235,113.322 h1.52
  text "4.2" at 79.741,113.322 h1.52
  text "4" at 8.894,110.274 h1.52
  text "Bot" at 19.305,110.274 h1.52
  text "Copper" at 41.397,110.274 h1.52
  text "0.058mm" at 63.235,110.274 h1.52
  text "BottomSolder" at 19.305,107.226 h1.52
  text "Solder Resist" at 41.397,107.226 h1.52
  text "0.010mm" at 63.235,107.226 h1.52
  text "3.5" at 79.741,107.226 h1.52
  text "BottomOverlay" at 19.305,104.178 h1.52
  text "UART3" at 97.106,94.094 h1
  text "+12V" at 139.548,91.18 h1.02
  text "TX" at 102.438,90.576 h1 r90
  text "RX" at 99.829,90.53 h1 r90
  text "GND" at 104.775,89.891 h1 r90
  text "3V3" at 97.384,89.56 h1 r90
  text "GND" at 72.847,87.554 h1
  text "SCK" at 56.45,85.649 h1
  text "SDO" at 56.45,84.169 h1
  text "ADC0" at 61.57,82.805 h1 r90
  text "CNV" at 57.031,82.715 h1
  text "ON" at 25.792,71.679 h1
  text "TERM0" at 17.881,71.58 h1
  text "ON" at 15.432,64.5 h1
  text "WUT ISE 2019" at 87.427,64.278 h1.02
  text "SCK" at 52.792,63.612 h1
  text "CPU ADC/ DAC header" at 72.804,62.873 h1 r90
  text "SDO" at 52.792,62.132 h1
  text "Stabilizer v1.1" at 84.455,61.239 h2.03
  text "ADC1" at 57.379,60.757 h1 r90
  text "CNV" at 52.792,60.652 h1
  text "TERM1" at 10,55.474 h1
  text "EEM" at 152.603,49.403 h1.52
  text "DAC0" at 46.5,48.438 h1 r90
  text "LDAC" at 46.69,42.09 h1
  text "CLKRn" at 46.69,39.992 h1
  text "DIN" at 46.69,37.894 h1
  text "DAC1" at 46.45,37.527 h1 r90
  text "CLK" at 46.69,35.796 h1
  text "SCL" at 105.5,34.343 h1
  text "CSn" at 46.69,33.698 h1
  text "ADC/DAC header" at 19.229,33.659 h1
  text "SDA" at 105.181,32.182 h1
  text "BOOT" at 109.814,26.518 h1 r90
  text "CPU JTAG" at 93.701,24.816 h1
  text "CPU GPIO header" at 73.247,24.536 h1 r90
  text "1" at 84.531,23.876 h1
  text "EEM Downstream" at 149.258,11.557 h1
  text "/ Upstream" at 149.359,9.451 h1
  text "7V" at 85.242,7.696 h1 r90
  text "2V5" at 92.859,7.366 h1 r90
  text "N12V" at 75.024,6.96 h1 r90
  text "P12V" at 77.584,6.96 h1 r90
  text "P5VA" at 82.704,6.96 h1 r90
  text "P6VA" at 87.824,6.96 h1 r90
  text "3V3A" at 90.384,6.96 h1 r90
  text "P12VA" at 80.119,6.611 h1 r90
  text "3V3 MP" at 95.56,5.631 h1 r90
  text "N12V" at 70.629,2.159 h1
  text "P12VA" at 74.981,2.134 h1
  text "3V3" at 85.166,2.134 h1
  text "3V3MP" at 88.9,2.134 h1
  text "7V" at 80.709,2.108 h1
  text "GND" at 92.405,0.813 h1
  text "P12V" at 73.101,0.787 h1
  text "2V5A" at 86.944,0.737 h1
  text "P5VA" at 77.826,0.66 h1
  text "P6VA" at 82.375,0.66 h1
BottomOverlay:
  drawing of 1241 lines, arcs and shapes, not listed
  text "Stabilizer v1.1" at 108.915,64.973 h2.03
  text "WUT ISE 2019" at 98.603,62.128 h1.02
BottomSolder:
  rectangle: 32.029,20.041 33.767,21.793
Mechanical1:
  lines w0.1: -2.489,10.809 0,8.32 0,0 159.995,0 159.995,100 0,100 0,92 -1,91 -2.489,89.511 -2.489,22.645 ; -2.489,10.82 -2.489,15.138 -1.854,15.138 -1.847,15.145 1.88,15.145 1.88,22.645 -2.489,22.645 ; -2.489,22.645 -2.489,22.645
Mechanical4:
  lines w0.1: -2.6,-14.238 -2.6,117.232

## Text inside footprints (layer, text, board x,y; h text height)
IC17: TopOverlay "1" at 74.98,13.841 h1.2; Mechanical14 "1" at 74.98,13.841 h1.2
J3: TopOverlay "34" at 69.667,9.315 h1.02 r270; Mechanical14 "34" at 69.667,9.315 h1.02 r270
J4: TopOverlay "16" at 25.667,42.745 h1.02 r270; Mechanical14 "16" at 25.667,42.745 h1.02 r270
J12: TopOverlay "30" at 157.051,20.873 h1.02 r270; Mechanical14 "30" at 157.051,20.873 h1.02 r270
J13: TopOverlay "26" at 64.333,90.605 h1.02 r90; Mechanical14 "26" at 64.333,90.605 h1.02 r90
SW1A: TopOverlay "1" at 18.021,79.303 h1; Mechanical14 "1" at 18.022,79.308 h1
SW1B: TopOverlay "1" at 6.34,63.018 h1; Mechanical14 "1" at 6.341,63.023 h1